# KiCad board SHEGO75-V3.kicad_pcb (continued)
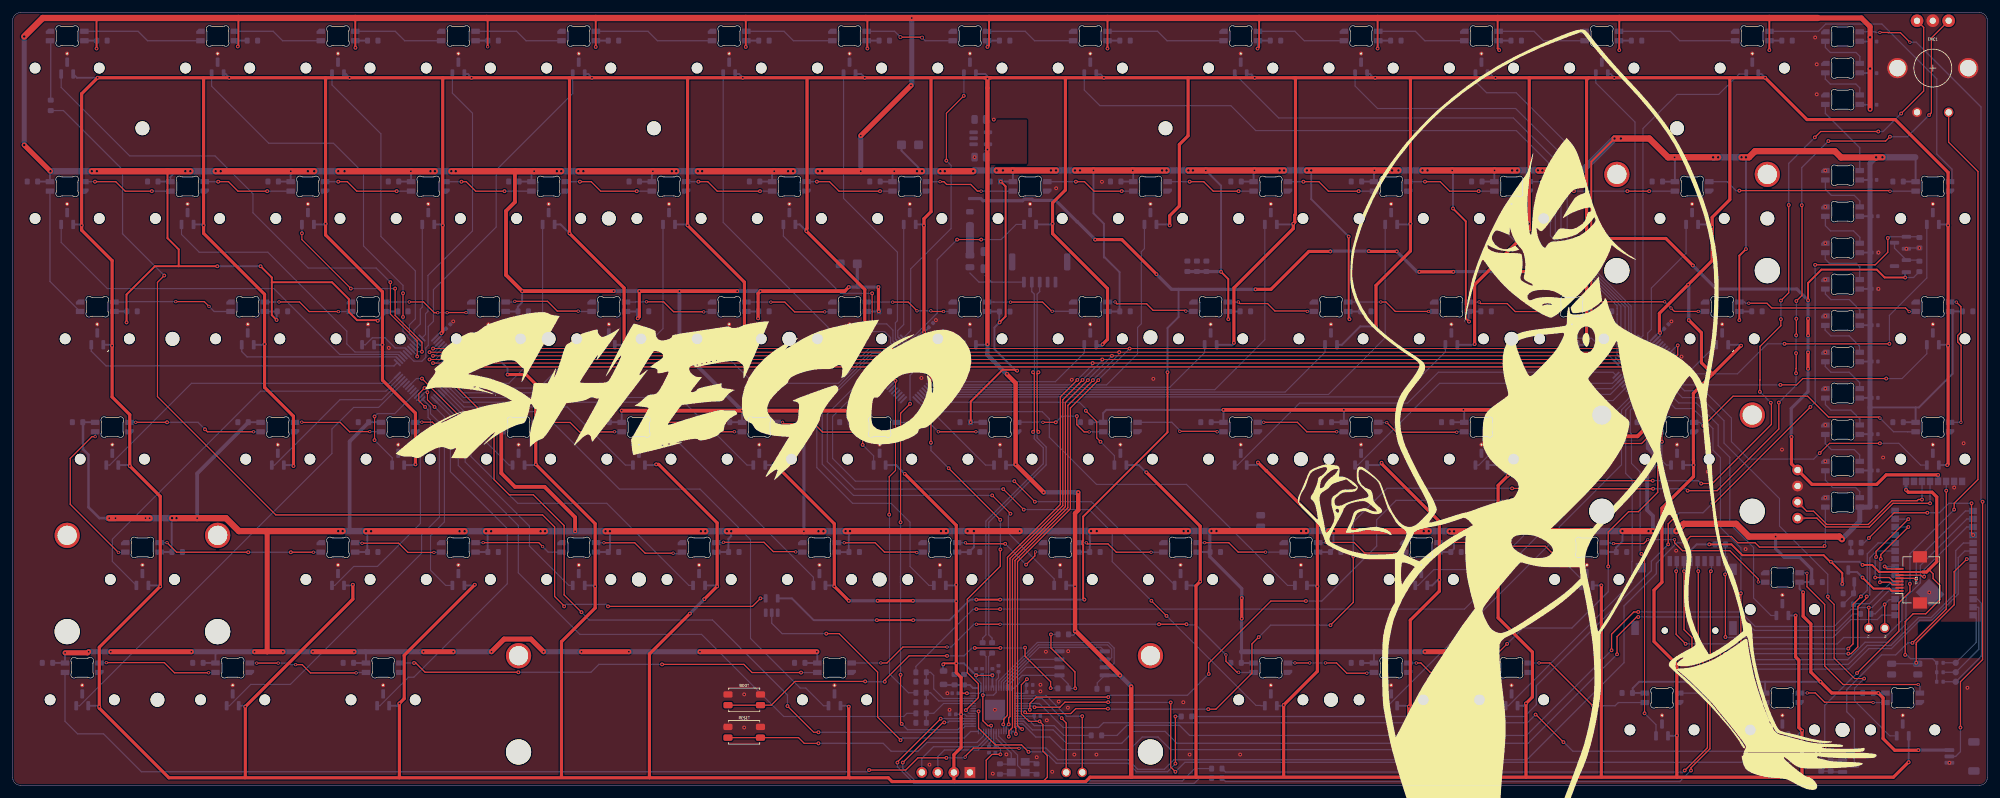
[diagram p0: board, top side]
## Routing (per net, layer and track width the routed paths; a pad name or vN(x,y) marks a point on that pad's centre or on a via; arc(x,y) is an arc through that point) (continued)
+3V3_ESP: length 91.3
  Top w0.2: 303.28,34.16 303.95,33.49 303.95,32.74 305.03,31.66 305.03,29.41 302.78,27.16 300.78,27.16 299.53,25.91 v1(299.53,20.66)
  Top w0.3: v1(292.78,34.91) 294.28,34.91 295.41,33.78 TFT1.VDD 302.28,33.78 ; v1(268.53,38.16) 272.03,38.16 273.75,36.44 286.63,36.44 287.66,35.41 v1(287.78,35.41) 289.58,33.61 v1(289.58,31.91)
  Top w0.5: 302.28,33.78 302.91,33.78 304.53,35.41 304.53,45.66 303.78,46.41 300.03,46.41 v1(299.66,46.77)
  Bottom w0.2: R17.2 303.87,20.06 300.38,20.06 299.78,20.66 v1(299.53,20.66) ; 304.52,19.16 304.52,16.66
  Bottom w0.3: SD1.4 265.58,37.21 266.53,38.16 v1(268.53,38.16) R13.2 ; v1(287.78,35.41) 292.28,35.41 v1(292.78,34.91)
  Bottom w0.5: v1(299.66,46.77) 299.66,48.12
+3V3A: length 5.7
  Bottom w0.3: 147.33,15.89 151.51,15.89 151.99,15.4 152.81,15.4
+5V: length 332.2
  Top w0.3: v1(152.53,29.41) v1(156.28,29.41) ; v1(299.53,80.41) 296.28,80.41 295.03,81.66 286.28,81.66 284.16,79.53 v1(284.16,76.81) ; v1(136.78,26.16) v1(142.53,26.16) ; v1(182.78,65.41) 182.78,55.91 169.43,42.56 169.43,38.76 169.33,38.65 169.33,38.16 169.43,38.06 169.43,29.61 v1(169.63,29.41)
  Top w0.5: v1(171.33,86.41) 175.56,86.41 v1(181.03,80.93) ; v1(247.81,86.61) 242.53,81.33 v1(238.13,81.33) ; v1(265.93,82.31) 261.66,86.58 v1(251.36,86.58) ; v1(208.53,84.53) 205.16,84.53 199.16,78.53 v1(196.71,78.53) ; v1(214.66,84.58) 214.71,84.53 v1(219.06,84.53) ; v1(284.16,71.26) v1(284.16,73.86) ; v1(228.01,81.31) v1(222.63,81.31) ; v1(304.74,49.16) 296.53,49.16 295.03,47.66 284.78,47.66 281.53,50.9 v1(281.53,55.16) ; v1(284.16,65.96) v1(284.16,68.53)
  Bottom w0.2: v1(299.53,80.41) 300.86,80.41 R5.2
  Bottom w0.3: v1(152.53,29.41) 151.53,29.41 148.28,26.16 v1(142.53,26.16) ; U2.5 123.33,29.6 126.78,26.16 v1(136.78,26.16) ; 184.53,78.53 184.53,74.16 182.78,72.41 v1(182.78,65.41) ; Q1.2 299.53,81.07 v1(299.53,80.41) ; v1(156.28,29.41) v1(169.63,29.41) ; 284.11,66.01 v1(284.16,65.96)
  Bottom w0.5: v1(219.06,84.53) 222.28,81.31 v1(222.63,81.31) ; v1(238.13,81.33) 228.03,81.33 v1(228.01,81.31) ; v1(251.36,86.58) 247.83,86.58 v1(247.81,86.61) ; v1(284.16,73.86) v1(284.16,76.81) 282.39,78.58 269.66,78.58 v1(265.93,82.31) ; v1(281.53,55.16) 281.49,55.19 281.49,59.67 284.16,62.33 v1(284.16,65.96) ; v1(181.03,80.93) 183.43,78.53 v1(196.71,78.53) ; v1(304.74,49.16) 304.74,49.15 304.74,48.12 ; v1(284.16,68.53) v1(284.16,71.26) ; 151.43,92.88 151.46,92.91 153.23,92.91 153.58,92.56 159.85,92.56 160.08,92.79 161.34,92.79 161.53,92.61 165.09,92.61 168.48,89.21 168.52,89.21 v1(171.33,86.41) ; v1(214.66,84.58) 208.58,84.58 v1(208.53,84.53)
+5V_LED: length 2393
  Top w0.3: v1(92.28,116.91) 92.28,121.49 ; v1(156.21,73.3) 157.15,74.24 157.15,94.83 v1(156.39,95.59) ; v1(197.03,116.66) 197.28,116.91 197.28,121.49 ; 154.53,121.49 154.53,117.16 v1(154.28,116.91) ; 41.02,79.65 50.54,79.65 53.21,76.98 53.21,74.95 54.51,73.64 57.69,73.64 v1(57.78,73.55) ; 41.02,79.65 41.02,74.44 v1(41.78,73.68) ; 41.02,79.65 41.02,80.41 v1(39.24,82.19) ; v1(211.58,73.8) 211.45,73.93 v1(211.45,86.89) ; 24.51,97.23 24.51,86.63 26.29,84.85 26.29,82.19 ; v1(151.63,57.49) 151.63,60.76 156.68,65.8 158.63,65.8 158.78,65.65 v1(158.98,65.65) ; v1(18.03,73.3) 18.03,77.71 22.51,82.19 26.29,82.19 ; 135.03,121.49 135.28,121.24 v1(135.28,116.66) ; v1(295.28,14.61) 295.26,14.63 ; v1(216.03,116.66) 216.03,121.49 ; 26.29,82.19 v1(32.38,82.19) ; v1(54.26,116.78) 54.23,116.81 54.23,121.49 ; v2(253.53,102.41) 249.86,98.73 v1(249.86,73.16) ; v1(35.63,116.98) 35.73,117.08 35.73,121.49 ; v1(273.28,73.66) 273.28,83.86 v1(274.33,84.91) ; 249.55,55.26 249.3,55.52 ; v1(191.26,81.3) 192.4,80.15 v1(192.4,73.8) ; 13.27,121.49 13.28,121.47 v1(13.28,116.66) ; v1(278.03,116.41) 278.03,121.49 ; v1(230.5,73.42) 229.99,73.93 229.99,89.3 v1(227.96,91.33) ; v3(75.18,116.93) 75.18,121.31 75.01,121.49 ; v1(173.28,116.66) 173.28,121.49 ; v1(235.28,116.41) 235.03,116.66 235.03,121.49 ; v1(254.28,116.41) 254.28,121.49 ; v1(116.03,116.91) 116.03,121.49
  Top w0.5: v1(137.09,75.04) 137.03,75.11 v1(137.03,78.88) ; 131.7,78.25 v1(132.33,78.88) ; v1(301.61,5.58) 301.58,5.56 297.88,5.56 296.03,7.41 296.03,13.86 v1(295.28,14.61) ; v1(283.38,30.56) 283.38,26.77 284.6,25.54 284.6,17.92 v1(286.13,16.4) 287.9,14.63 295.26,14.63 ; v1(117.98,73.93) 117.98,77.87 v1(118.36,78.25) ; v1(99.18,78.25) 99.18,74.19 v1(98.93,73.93) ; v1(194.53,26.41) v1(194.53,29.66)
  Top w0.6: v1(77.32,57.49) 77.34,57.48 77.34,49.42 79.5,47.26 84.2,47.26 89.02,42.44 v1(89.02,40.23) ; v1(114.68,78.25) v1(105.53,78.25) v1(99.18,78.25) ; v1(95.12,78.25) v1(80.64,78.25) 78.09,80.8 78.09,90.94 79.5,92.35 79.5,97.23 ; 249.3,55.52 245.36,59.45 v1(229.61,59.45) v1(210.69,59.45) v1(191.64,59.45) ; v1(118.36,78.25) 131.7,78.25 ; v1(96.39,59.33) v1(115.44,59.33) v1(125.23,59.33) v1(132.58,59.33) ; 249.55,55.26 257.17,55.26 v1(258.06,56.15)
  Top w0.8: v1(90.03,21.16) v1(97.53,21.16) ; v1(75.78,21.16) 77.78,23.16 82.03,23.16 v1(84.03,21.16) ; v1(38.28,21.16) 40.28,21.16 ; 40.28,21.16 v1(42.78,21.16) ; 40.28,21.16 40.28,40.26 ; v1(8.3,20.99) 11.86,20.99 v1(12.03,21.16) ; v1(223.53,21.16) v1(228.53,21.16) ; 285.71,121.49 292.6,121.49 293.98,120.11 v2(293.98,118.43) v2(293.98,113.48) v2(293.98,107.04) ; v1(127.28,21.16) v1(108.78,21.16) ; v1(47.53,21.16) v1(54.03,21.16) ; v1(15.53,21.16) v1(28.28,21.16) ; v1(65.03,21.16) v1(69.73,21.16) ; v2(5.98,97.23) v2(1.83,101.38) ; v1(134.23,102.86) v1(142.18,110.81)
  Top w1: 241.49,97.37 241.5,97.36 v2(247.63,97.36) ; v2(227.43,40.22) v2(232.03,40.22) ; v2(146.83,97.23) v2(152.03,97.23) ; v2(249.78,40.26) 236.54,40.26 v2(236.51,40.22) ; v2(25.23,42.31) v1(29.21,42.31) 33.76,42.31 35.81,40.26 v2(52.23,40.26) ; v2(32.13,97.23) v1(44.03,97.23) v2(47.73,97.23) ; v2(165.13,97.36) v1(158.28,97.36) v2(155.73,97.36) ; v2(51.53,97.23) v1(63.03,97.23) v2(66.83,97.23) ; 285.71,121.49 v1(142.31,121.49) 4.76,121.49 v2(1.83,118.56) ; v1(21.68,42.31) v1(15.28,42.31) ; v2(289.53,38.97) 289.11,39.39 v1(279.03,39.39) 274.8,39.39 272.78,41.41 264.48,41.41 v2(263.33,40.26) v2(264.01,40.93) ; v2(219.33,97.36) v2(218.33,97.36) v1(215.53,97.36) v2(204.83,97.36) ; v2(69.43,97.23) v1(82.53,97.23) v2(86.83,97.23) ; v2(269.93,99.43) v1(263.03,99.43) 262.01,99.43 259.03,102.41 v2(253.53,102.41) ; v2(131.83,40.26) v2(147.73,40.26) ; v2(143.93,97.23) v1(139.53,97.23) v1(134.23,97.23) v2(127.43,97.23) ; v2(109.63,40.23) v2(93.83,40.23) ; v2(238.13,97.36) v1(234.53,97.36) v1(227.83,97.36) v2(223.13,97.36) ; v2(113.03,40.23) v1(125.23,40.23) v2(128.33,40.23) ; v2(259.61,40.26) v2(254.78,40.26) ; v2(108.43,97.23) v1(120.53,97.23) v2(123.53,97.23) ; v2(201.23,97.36) v1(196.53,97.36) v1(188.85,97.36) v2(186.08,97.36) ; v2(186.03,40.26) v2(170.68,40.26) ; v2(151.13,40.26) v1(159.38,40.26) ; v2(189.73,40.27) v2(204.73,40.27) ; v2(182.63,97.36) v1(177.28,97.36) v1(171.07,97.36) v2(168.13,97.36) ; v2(295.93,99.43) v2(294.93,99.43) 294.91,99.41 289.39,99.41 288.39,100.41 275.78,100.41 274.81,99.43 v2(273.63,99.43) ; v2(28.13,97.23) v2(12.53,97.23) ; v2(84.26,40.23) v2(74.93,40.23) ; v2(105.03,97.23) v1(101.33,97.23) v2(89.53,97.23) ; v2(71.53,40.23) v2(55.93,40.23) ; v2(208.33,40.24) v2(224.13,40.24)
  Bottom w0.3: 258.79,57.49 260.68,57.49 ; LED73.1 32.1,20.97 32.28,21.16 ; LED25.1 196.41,97.23 v1(196.53,97.36) ; 23.04,95.59 24.94,95.59 ; 199.01,117.91 197.11,117.91 ; v1(197.03,116.66) 197.09,116.72 LED10.1 ; 294.17,72.85 292.38,72.85 ; 23.28,36.94 25.18,36.94 25.18,41.99 25.43,42.24 25.87,42.24 v2(25.93,42.31) ; LED6.1 116.13,117.01 v1(116.03,116.91) ; 94.23,117.91 92.34,117.91 ; 120.43,97.23 120.21,97.01 LED21.1 ; v2(293.98,118.43) 293.96,118.41 293.96,117.76 292.39,117.76 ; 251.88,36.94 253.78,36.94 253.78,37.64 254.78,38.65 v2(254.78,40.26) ; 55.78,21.16 55.91,21.02 LED74.1 54.02,19.37 ; LED7.1 135.18,116.76 v1(135.28,116.66) ; v1(215.53,97.36) 215.46,97.28 LED26.1 ; 232.59,95.59 234.49,95.59 ; 94.23,36.94 92.34,36.94 ; 234.53,21.16 234.53,19.4 ; 227.83,57.49 229.72,57.49 ; LED29.1 301.18,99.38 301.13,99.43 ; v2(171.58,40.26) 170.47,40.26 170.47,38.72 170.53,38.65 170.53,38.16 170.47,38.09 CL66.1 168.54,36.94 ; LED50.1 115.44,59.32 v1(115.44,59.33) ; 278.06,117.89 278.06,116.43 v1(278.03,116.41) ; v1(263.03,99.43) 263.08,99.38 LED28.1 261.19,95.57 ; 99.26,95.57 LED20.1 101.16,97.06 v1(101.33,97.23) ; v1(80.64,78.25) 80.64,76.47 79.94,75.78 79.94,75.04 ; 251.37,75.02 LED42.1 249.48,73.53 v1(249.86,73.16) ; v1(227.83,97.36) 227.96,97.23 v1(227.96,91.33) ; v1(13.28,116.66) 13.28,117.89 ; 175.19,117.91 173.3,117.91 ; 3.99,95.59 5.89,95.59 ; 277.36,16.4 257.43,16.4 256.41,15.38 256.41,14.63 258.3,14.63 ; 277.36,16.4 277.37,16.4 LED80.1 ; 277.36,16.4 v1(286.13,16.4) ; 208.53,36.94 209.04,37.45 209.04,40.15 v2(209.13,40.24) ; v1(156.39,95.59) 158.29,95.59 ; 275.46,14.63 277.35,14.63 ; 237.11,117.91 235.21,117.91 ; 294.17,49.85 292.39,49.85 ; LED35.1 118.02,75.02 ; LED71.1 282.82,31.12 v1(283.38,30.56) ; LED2.1 35.63,117.42 v1(35.63,116.98) ; 215.53,21.16 215.46,21.08 LED77.1 213.56,19.37 ; 293.96,59.83 301.18,59.83 ; 301.18,59.83 301.71,59.83 307.04,65.17 307.04,74.61 LED44.1 ; 301.18,59.83 LED58.1 ; v2(27.33,97.23) 25.86,97.23 24.96,96.33 LED16.1 ; 284.73,32.18 282.84,32.18 ; 156.14,117.91 154.25,117.91 ; 151.38,36.94 152.13,37.69 v2(152.13,40.26) ; 232.32,75.02 LED41.1 230.43,73.49 v1(230.5,73.42) ; 294.17,84.35 292.37,84.35 ; 177.36,95.57 177.36,97.28 v1(177.28,97.36) ; LED31.1 41.82,75.02 ; 213.54,95.59 215.44,95.59 ; v2(113.73,40.23) 113.73,39.46 113.28,39.01 113.28,36.94 111.39,36.94 ; LED38.1 175.17,75.02 ; v1(158.98,65.65) 158.78,65.65 155.39,69.05 155.39,72.48 v1(156.21,73.3) 156.15,73.35 156.15,75.01 ; v1(254.28,116.41) 254.24,116.44 LED13.1 ; 308.54,75.04 306.65,75.04 ; 132.33,36.94 132.33,40.06 v2(132.53,40.26) ; v1(92.28,116.91) 92.32,116.94 LED5.1 ; 294.17,90.1 292.36,90.1 ; LED36.1 137.07,75.02 ; 82.43,97.23 82.11,96.91 LED19.1 ; 11.14,57.49 13.03,57.49 ; 42.09,95.59 43.99,95.59 ; 175.19,75.04 175.19,81.25 172.86,83.58 172.72,83.58 172.72,88.92 171.07,90.57 v1(171.07,97.36) ; LED72.1 8.29,20.97 ; 37.33,57.49 39.22,57.49 ; 194.49,19.39 194.49,21.16 ; 56.13,117.91 54.24,117.91 ; 294.17,61.35 292.38,61.35 ; 44.16,97.23 44.01,97.08 LED17.1 ; v1(211.45,86.89) 205.53,92.8 v2(205.53,97.36) ; v1(127.28,21.16) 127.35,21.09 LED75.1 125.46,19.37 ; LED54.1 191.64,59.45 v1(191.64,59.45) 173.11,59.45 172.59,58.94 LED53.1 ; 279.97,117.91 278.08,117.91 ; v1(41.78,73.68) 41.78,74.98 ; v1(132.58,59.33) 132.58,59.32 132.58,57.49 134.47,57.49 ; 13.27,117.91 11.38,117.91 ; v1(18.03,73.3) 18.03,73.3 18.03,75.04 16.14,75.04 ; v1(216.03,116.66) 216.14,116.77 LED11.1 ; 189.48,36.94 187.59,36.94 ; v1(158.28,97.36) 158.31,97.33 LED23.1 ; v2(55.93,40.23) 56.13,40.03 56.13,36.94 54.24,36.94 ; 234.51,19.37 232.61,19.37 ; 137.09,117.91 135.2,117.91 ; LED64.1 132.31,36.92 ; 299.27,95.59 301.16,95.59 ; LED12.1 235.19,116.49 v1(235.28,116.41) ; 61.14,95.59 63.04,95.59 ; LED55.1 210.69,59.45 v1(210.69,59.45) ; v1(295.28,14.61) 294.53,14.61 ; 225.69,36.94 227.58,36.94 228.13,37.49 v2(228.13,40.22) ; LED9.1 v1(173.28,116.66) ; 299.27,57.49 301.16,57.49 ; 6.38,19.39 8.27,19.39 ; v2(293.98,113.48) 293.96,113.46 293.96,112.76 292.39,112.76 ; v1(273.28,73.66) 273.29,73.67 LED43.1 275.19,75.02 ; v1(192.4,73.8) 192.33,73.87 LED39.1 194.22,75.02 ; 75.43,57.49 v1(77.32,57.49) ; v1(32.38,82.19) v1(39.24,82.19) ; LED76.1 194.51,19.37 ; LED81.1 294.53,14.61 ; 60.87,75.02 LED32.1 58.98,74.75 v1(57.78,73.55) ; 218.06,117.91 216.16,117.91 ; v1(54.26,116.78) 54.26,117.85 ; 137.36,95.57 LED22.1 139.26,96.96 v1(139.53,97.23) ; LED37.1 156.14,75.02 ; v1(191.26,81.3) 191.26,94.94 v1(188.85,97.36) ; 73.29,117.91 75.18,117.91 v3(75.18,116.93) ; v1(234.53,97.36) 234.51,97.33 234.51,95.57 ; LED15.1 5.91,97.16 v2(5.98,97.23) ; 208.78,57.49 210.67,57.49 ; LED49.1 96.39,59.32 v1(96.39,59.33) ; 170.68,57.49 172.57,57.49 ; 113.53,57.49 115.42,57.49 ; 256.16,117.91 254.26,117.91 ; v2(293.98,107.04) 293.98,107.74 ; C22.1 140.68,100.48 v2(143.93,97.23) ; LED18.1 63.06,97.18 ; v1(229.61,59.45) 229.74,59.32 LED56.1 ; 80.19,95.59 82.09,95.59 ; LED33.1 79.92,75.02 ; 194.49,95.59 196.39,95.59 ; LED40.1 213.27,75.02 ; 194.49,26.37 v1(194.53,26.41) ; LED34.1 98.97,75.02 ; 118.29,95.59 120.19,95.59 ; 30.19,19.39 32.08,19.39 ; v1(154.28,116.91) 154.23,116.96 LED8.1 ; 56.38,57.49 58.27,57.49 ; 294.17,67.1 292.38,67.1 ; 294.17,78.6 292.37,78.6 ; 293.96,107.76 292.39,107.76 ; 73.29,36.94 75.18,36.94 75.18,39.98 v2(74.93,40.23) ; 189.73,57.49 191.62,57.49 ; 94.48,57.49 96.37,57.49 ; 293.96,95.86 292.36,95.86 ; v2(94.53,40.23) 94.53,37.24 ; v1(274.33,84.91) v2(274.33,99.43) ; LED68.1 208.51,36.92 ; 294.17,55.6 292.39,55.6 ; v1(151.63,57.49) 153.52,57.49 ; 175.44,95.59 177.34,95.59 ; v1(211.58,73.8) 211.58,74.83 ; LED65.1 151.36,36.92 ; 118.04,117.91 116.15,117.91 ; 37.08,117.91 35.19,117.91
  Bottom w0.4: 15.11,42.31 13.73,42.31 12.01,44.03 12.01,52.36 11.14,53.22 11.14,57.49
  Bottom w0.5: 284.73,32.18 284.73,34.21 282.85,36.09 280.41,36.09 279.02,37.48 279.02,39.37 v1(279.03,39.39) ; 133.73,78.88 v1(137.03,78.88) ; 133.73,78.88 v1(132.33,78.88) ; 133.73,78.88 133.68,78.93 C21.1 ; v1(117.98,73.93) 118.04,74 118.04,75.04 ; 185.92,81.35 191.21,81.35 v1(191.26,81.3) ; v1(194.53,29.66) 194.53,31.16 189.48,36.21 189.48,40.02 v2(189.73,40.27) ; v2(203.93,40.27) 197.65,40.27 ; v1(301.61,5.58) J1.1 ; 194.49,21.16 194.49,26.37 ; v1(98.93,73.93) 98.93,74.98 ; v1(125.23,59.33) v1(125.23,40.23)
  Bottom w0.6: 37.33,57.49 29.21,49.37 v1(29.21,42.31) ; 53.34,40.26 53.34,54.45 56.38,57.49 ; v1(114.68,78.25) v1(118.36,78.25) ; v1(115.44,59.33) 105.53,69.23 v1(105.53,78.25) ; 258.79,56.15 258.79,57.49 ; 258.79,56.15 v1(258.06,56.15) ; 258.79,56.15 258.79,53.4 259.84,52.35 259.84,50.56 258.7,49.42 258.7,43.58 259.61,42.66 v2(259.61,40.26) ; v1(95.12,78.25) v1(99.18,78.25)
  Bottom w0.8: v2(1.83,101.38) v2(1.83,118.56) ; v1(42.78,21.16) v1(47.53,21.16) ; v1(69.73,21.16) v1(75.78,21.16) ; v1(38.28,21.16) v1(28.28,21.16) ; v1(65.03,21.16) v1(54.03,21.16) ; v1(142.31,121.49) 142.31,110.93 v1(142.18,110.81) ; v1(228.53,21.16) 234.53,21.16 ; v1(97.53,21.16) v1(108.78,21.16) ; v1(134.23,97.23) v1(134.23,102.86) ; 194.49,21.16 v1(223.53,21.16) ; v2(294.93,99.43) 293.96,98.46 293.96,44.1 ; v1(12.03,21.16) v1(15.53,21.16) ; 289.53,38.98 292.34,41.79 AMB1.1 293.89,44.05 ; 8.29,20.97 v1(8.3,20.99) ; v1(84.03,21.16) v1(90.03,21.16)
  Bottom w1: v2(209.13,40.24) 208.4,40.24 208.37,40.27 v2(203.93,40.27) ; v2(185.33,40.26) 185.34,40.27 v2(190.53,40.27) ; v2(181.93,97.36) v2(182.63,97.36) v2(186.08,97.36) v2(186.81,97.36) ; v2(127.53,40.23) 132.51,40.23 v2(132.53,40.26) ; v2(205.53,97.36) v2(204.83,97.36) v2(201.23,97.36) v2(200.53,97.36) ; v2(83.56,40.23) v1(89.02,40.23) v2(94.53,40.23) ; v2(70.13,97.23) v2(69.43,97.23) v2(66.83,97.23) v2(66.13,97.23) ; v2(52.53,97.23) v2(51.53,97.23) v2(47.73,97.23) v2(46.73,97.23) ; v2(109.13,97.23) v2(108.43,97.23) v2(105.03,97.23) v2(104.33,97.23) ; v2(86.13,97.23) v2(86.83,97.23) v2(89.53,97.23) v2(90.33,97.23) ; v2(269.13,99.43) 269.13,99.43 v2(274.33,99.43) ; v2(5.98,97.23) v2(12.53,97.23) v2(13.33,97.23) ; v2(147.53,97.23) v2(146.83,97.23) v2(143.93,97.23) v2(143.13,97.23) ; v2(230.78,40.22) 237.29,40.22 v2(237.33,40.26) ; v2(152.13,40.26) v2(146.93,40.26) ; v2(171.58,40.26) 170.04,40.26 170.02,40.27 165.54,40.27 165.53,40.26 v1(159.38,40.26) ; v2(237.33,97.36) 237.34,97.36 241.97,97.36 241.98,97.36 242.19,97.36 ; v2(25.93,42.31) v2(25.23,42.31) v1(21.68,42.31) v1(21.03,42.31) ; v2(228.13,40.22) 227.72,40.22 227.7,40.24 v2(223.33,40.24) ; v2(246.93,97.36) 248.48,97.36 v2(253.53,102.41) v2(254.53,102.41) ; v2(295.93,99.43) 301.13,99.43 ; v2(152.03,97.23) 152.16,97.36 v2(155.73,97.36) v2(156.73,97.36) ; v2(108.93,40.23) v2(113.73,40.23) ; v2(128.13,97.23) v2(127.43,97.23) v2(123.53,97.23) v2(122.73,97.23) ; v2(56.73,40.23) v2(55.93,40.23) 55.91,40.26 v2(51.53,40.26) ; v2(258.91,40.26) v2(263.33,40.26) v2(264.01,40.93) ; v2(164.33,97.36) v2(165.13,97.36) v2(168.13,97.36) v2(168.93,97.36) ; v2(254.78,40.26) v2(249.78,40.26) ; v2(218.33,97.36) v2(223.93,97.36) ; v2(27.33,97.23) v2(28.13,97.23) v2(32.13,97.23) v2(32.93,97.23) ; v2(70.73,40.23) v2(75.73,40.23) ; 15.11,42.31 v1(15.28,42.31) v1(16.28,42.31)
  vias: v2(241.41,97.37) v2(242.11,97.36)
GND: length 6.7
  Bottom w0.2: Y1.2 161.69,3.72 162.05,3.36 ; 156.26,1.81 157.85,1.81 ; 300.36,85.08 v1(301.78,85.08) ; Q4.2 287.87,4.02
  vias: v1(59.53,69.26) v1(68.33,65.26) v1(69.73,73.46) v1(72.78,58.19) v1(115.78,14.41) v1(115.78,9.16) v1(143.83,64.51) v1(145.11,3.27) v1(145.48,65.56) v1(146.13,73.66) v1(147.94,14.59) v1(148.28,11.96) v1(152.25,99.46) v1(155.13,1.86) v1(155.28,105.41) v1(155.46,11.96) v1(157.28,4.91) v1(162.08,4.46) v1(162.67,15.92) v1(162.67,14.88) v1(163.53,21.16) v1(163.68,10.31) v1(164.53,2.16) v1(165.16,94.53) v1(165.56,13.27) v1(167.06,21.24) v1(167.02,12.3) v1(167.63,64.21) v1(168.03,4.88) v1(171.53,4.88) v1(172.41,95.56) v1(180.53,64.36) v1(185.28,13.16) v1(186.28,4.88) v1(194.28,4.88) v1(262.53,73.46) v1(263.28,37.16) v1(264.13,67.88) v1(265.03,37.91) v1(268.28,49.66) v1(274.28,37.41) v1(280.03,53.16) v1(285.28,118.41) v1(285.53,114.16) v1(285.53,109.41) v1(286.89,97.34) v1(286.89,91.58) v1(286.89,85.83) v1(286.89,80.08) v1(286.89,74.32) v1(286.89,68.57) v1(286.89,62.81) v1(286.89,57.06) v1(286.89,51.3) v1(286.89,45.55) v1(295.31,84.35) v1(295.31,78.6) v1(296.03,51.91) v1(299.72,84.96) v1(303.35,30.54) v1(306.53,3.58) v1(307.28,47.16) v1(308.78,54.16) v1(309.38,15.46)
VBUS: length 10.7
  Bottom w0.2: 153.89,80.77 154.98,79.67 ; 154.98,79.67 JST1.1 ; 154.98,79.67 152.95,79.67 151.51,81.11
/BL_GATE: length 4
  Bottom w0.2: 291.36,30.31 R10.2
  Bottom w0.3: 291.48,31.91 291.48,30.28
/CARD_DETECT: length 42.9
  Top w0.2: v1(271.03,33.41) 271.08,33.36 v1(271.08,23.48)
  Bottom w0.2: SD1.CD1 271.08,33.46 v1(271.03,33.41) ; 271.08,38.01 271.08,35.51 ; U5.22 295.82,26.95 295.12,26.25 290.94,26.25 288.1,23.41 271.16,23.41 v1(271.08,23.48)
/ESP_D+: length 25.7
  Top w0.2: 282.5,44.85 283.95,43.41 285.03,43.41 287.13,41.31 293.68,41.31 297.43,45.06 301.42,45.06 301.62,45.26 v1(302.19,45.26)
  Bottom w0.2: v1(302.19,45.26) 302.19,45.83 302.2,45.83 U5.6
/ESP_D-: length 26.6
  Top w0.2: SWD2.1 285.56,42.31 286.96,40.91 293.85,40.91 297.6,44.66 v1(303.47,44.66)
  Bottom w0.2: U5.5 303.47,45.79 303.47,45.79 v1(303.47,44.66)
/ESP_IO0: length 24.5
  Top w0.2: v1(301.28,19.41) 301.28,22.31 301.28,22.31 301.28,22.59 307.28,28.59 307.28,33.83 v1(309.28,35.83)
  Bottom w0.2: v1(309.28,35.83) U5.29 ; 301.13,19.26 ESP_BOOT1.1
/ESP_RES: length 53.8
  Top w0.2: v1(306.03,46.66) 306.03,27.91 v1(300.68,22.56)
  Bottom w0.2: Q4.3 291.49,10.44 290.28,11.66 290.28,15.16 295.78,20.66 298.03,20.66 299.93,22.56 v1(300.68,22.56) ; v1(306.03,46.66) 306.03,48.1
/FB1: length 4.5
  Bottom w1.25: 151.51,84.09 151.51,88.59
/GP0_TX: length 20.6
  Top w0.2: UART1.1 169.29,10.95 v1(169.28,10.96)
  Bottom w0.2: U4.2 163.62,14.16 166.83,10.96 v1(169.28,10.96)
/GP1_RX: length 17.3
  Top w0.2: v1(166.03,10.66) 166.03,10.59 166.75,9.87 UART1.2
  Bottom w0.2: U4.3 162.92,13.76 v1(166.03,10.66)
/GP3_ESP_RES: length 133.1
  Top w0.2: v1(245.44,6.84) 241.08,11.21 v1(241.03,11.21)
  Bottom w0.2: R14.2 286.24,4.44 285.28,5.41 246.93,5.41 245.49,6.84 v1(245.44,6.84) ; v1(241.03,11.21) 239.73,9.91 172.64,9.91 171.89,9.16 166.28,9.16 162.47,12.96 U4.5
/GP8_TX: length 12.7
  Bottom w0.2: U4.11 160.6,10.56 161.71,9.46 164.83,9.46 166.38,7.91 170.51,7.91
/GP9_RX: length 148.5
  Top w0.2: v1(253.93,20.76) 253.93,23.56 257.03,26.66 v1(257.28,26.66)
  Bottom w0.2: v1(257.28,26.66) 273.53,26.66 275.66,24.53 288.66,24.53 291.28,27.16 R21.2 ; U4.12 160.02,10.16 161.41,8.78 164.68,8.78 166.81,6.66 175.53,6.66 177.41,8.54 182.4,8.54 184.28,6.66 239.83,6.66 v1(253.93,20.76)
/GP20_SDA: length 65.3
  Top w0.2: v1(147.45,9.96) 147.24,9.96 v1(140.88,3.61)
  Bottom w0.2: v1(140.88,3.61) 140.88,2.67 142.85,0.7 185.13,0.7 187.08,2.66 189.76,2.66 ; U4.31 148.24,10.16 148.04,9.96 v1(147.45,9.96)
/GP21_SCL: length 66.8
  Top w0.2: v1(146.88,10.56) 140.18,3.86 140.18,3.76 v1(140.03,3.61)
  Bottom w0.2: U4.32 146.89,10.56 v1(146.88,10.56) ; v1(140.03,3.61) 140.03,2.96 142.69,0.3 186.99,0.3 187.85,1.16 189.76,1.16
/GP23_LED_EN: length 46.5
  Top w0.2: v1(160.78,5.31) 159.68,6.41 155.53,6.41 152.87,9.07 v1(152.87,11.72) ; v1(184.03,3.45) 184.03,10.9
  Bottom w0.2: U4.35 152.83,11.76 v1(152.87,11.72) ; v1(184.03,10.91) R6.1 ; v1(160.78,5.31) 163.38,5.31 165.18,3.51 176.53,3.51 177.88,2.16 182.78,2.16 184.03,3.41 v1(184.03,3.45)
/GPIO26: length 9.6
  Bottom w0.18: U4.38 147.34,12.96 145.78,11.41 R8.1 C25.1
/GPIO27: length 9.5
  Bottom w0.18: C26.1 R9.1 145.28,14.66 146.57,13.36 U4.39
/GPIO28: length 11.9
  Bottom w0.18: C27.1 R11.1 145.28,17.91 145.78,17.41 145.78,15.28 147.3,13.76 U4.40
/IO13_ESP_SDA: length 136.4
  Top w0.2: v1(292.53,29.91) 291.28,28.66 291.28,22.41 v1(290.53,21.66) ; v1(271.03,21.61) 270.98,21.61 270.28,20.91 270.28,16.41 268.23,14.35 268.23,5.95 v1(264.63,2.36)
  Bottom w0.2: v1(264.63,2.36) 264.38,2.11 191.96,2.11 R22.1 ; v1(271.03,21.61) 290.48,21.61 v1(290.53,21.66) ; U5.13 295.25,38.38 293.53,36.66 293.53,30.91 v1(292.53,29.91)
/IO14_ESP_SCL: length 136.8
  Top w0.2: v1(290.53,20.86) 290.98,20.86 292.03,21.91 292.03,28.28 293.44,29.68 v1(293.44,29.9) ; v1(271.03,20.81) 270.68,20.46 270.68,16.24 268.63,14.19 268.63,5.79 265.63,2.79 v1(265.63,2.36)
  Bottom w0.2: v1(293.44,29.9) 293.66,29.9 293.93,30.18 293.93,36.01 295.03,37.11 U5.14 ; v1(290.53,20.86) 271.08,20.86 v1(271.03,20.81) ; R23.1 191.96,0.61 263.88,0.61 v1(265.63,2.36)
/IO25_TFT_BL: length 7.8
  Bottom w0.2: U5.18 297.14,32.03 293.87,28.76 291.46,28.76
/IO32_ESP_RX: length 142.8
  Top w0.2: UART2.1 293.76,28.13 v1(293.78,28.16) ; v1(257.28,27.46) 256.58,27.46 253.06,23.93 v1(253.06,21.38)
  Bottom w0.2: v1(253.06,21.38) 239.58,7.91 186.28,7.91 184.68,9.5 176.38,9.5 174.78,7.91 172.56,7.91 ; U5.19 296.88,30.76 294.28,28.16 v1(293.78,28.16) 292.27,28.16 291.99,27.88 291.01,27.88 288.28,25.16 275.78,25.16 273.48,27.46 v1(257.28,27.46)
/IO33_ESP_TX: length 8.4
  Top w0.2: v1(296.28,28.66) 296.3,28.64 296.3,24.91
  Bottom w0.2: 297.86,29.41 297.03,29.41 v1(296.28,28.66) 294.78,27.16 R21.1
/LED_GATE: length 165.1
  Top w0.2: v1(285.28,82.41) 294.78,82.41 296.78,84.41 v1(296.78,86.66) ; v1(284.53,59.91) 269.28,44.66 v1(269.03,44.66) ; v1(262.03,38.16) 262.03,41.41 v1(263.28,42.66)
  Bottom w0.2: v1(262.03,38.16) 259.36,35.48 259.36,33.98 241.16,15.78 241.16,12.78 239.28,10.91 R6.2 ; v1(263.28,42.66) 263.78,43.16 267.53,43.16 v1(269.03,44.66) ; v1(284.53,59.91) 285.28,60.66 v1(285.28,82.41) ; 301.66,86.86 Q2.1 296.98,86.86 v1(296.78,86.66)
/leds/LED_EXP: length 129.8
  Top w0.2: v3(300.28,117.66) 298.78,119.16 296.86,119.16 296.81,119.21 v3(295.53,119.21) ; v1(311.78,44.91) 311.78,19.91 308.28,16.41 v1(308.28,9.16)
  Bottom w0.2: v1(308.28,9.16) 308.28,5.34 307.52,4.58 306.52,4.58 ; v3(295.53,119.21) 294.86,119.21 294.76,119.31 GLO3.2 ; v3(300.28,117.66) 301.28,117.66 311.53,107.41 311.53,45.16 v1(311.78,44.91)
/leds/LED_IN: length 9.3
  Bottom w0.2: R24.2 6.03,117.76
/MCU_D+: length 5.8
  Bottom w0.18: R1.2 154.46,20.39 U4.47
/MCU_D-: length 5.8
  Bottom w0.18: U4.46 154.06,20.39 R2.1
/N_DRAIN_5V: length 5.4
  Bottom w0.2: Q2.3 297.84,85.03 Q1.1 301.61,83.16
/QSPI_SCLK: length 23.7
  Bottom w0.18: U4.52 156.46,16.37 162.34,22.24 173.29,22.24 173.96,21.58 173.96,20.25 173.66,19.96 U3.6
/QSPI_SD0: length 19.4
  Bottom w0.18: U4.53 156.86,16.23 162.49,21.86 172.22,21.86 U3.5
/QSPI_SD1: length 9.7
  Bottom w0.18: U4.55 157.66,15.95 160.4,18.69 U3.2
/QSPI_SD2: length 10.7
  Bottom w0.18: U4.54 157.26,16.09 161.13,19.96 U3.3
/QSPI_SD3: length 26.4
  Bottom w0.18: U4.51 156.06,16.51 162.18,22.62 173.45,22.62 174.34,21.74 174.34,19.36 173.66,18.69 U3.7
/QSPI_SS: length 23.4
  Top w0.2: v1(164.33,23.89) 164.33,21.75 168.13,17.96 168.13,15.41 v1(168.18,15.36)
  Bottom w0.2: v1(164.33,23.89) 165.25,23.89 ; v1(168.18,15.36) 167.22,15.36 ; U4.56 158.53,15.4 159.28,16.16 159.28,16.91 159.79,17.42 U3.1 167.07,16.03 167.07,15.51
/RES_GATE: length 3.1
  Bottom w0.2: R15.2 R14.1 ; 289.24,2.12 287.62,2.12
/RUN: length 43.1
  Top w0.18: 125.28,6.66 v1(127.53,6.66)
  Top w0.2: 125.28,6.66 124.38,7.56 RES1.2 RES1.2
  Bottom w0.2: v1(127.53,6.66) 137.78,6.66 139.03,5.41 143.28,5.41 144.67,6.8 152.64,6.8 153.66,7.82 U4.26
/SD_CLK: length 70.7
  Top w0.2: v1(268.78,18.41) 268.53,18.41 266.78,20.16 v1(266.78,33.91)
  Bottom w0.2: v1(266.78,33.91) 266.68,34.01 SD1.5 ; v1(268.78,18.41) 290.53,18.41 293.78,21.66 297.35,21.66 301.85,26.16 303.78,26.16 307.93,30.31 307.93,36.06 308.97,37.1 U5.28
/SD_CS: length 57
  Top w0.2: v1(264.78,22.41) 263.28,23.91 v1(263.28,33.91)
  Bottom w0.2: v1(263.28,33.91) 263.38,34.01 SD1.2 ; 298.37,33.3 299.03,32.64 299.03,26.15 296.28,23.41 289.78,23.41 288.78,22.41 v1(264.78,22.41)
/SD_MISO: length 70.6
  Top w0.2: v1(268.78,33.91) 268.68,33.8 268.68,20.01 v1(268.78,19.91)